# Altium PCB OLD_DIOT_temperature_logger.PcbDoc (part 3 of 6)
Units mm, origin at the board's own origin, x right, y up, seen from the top; angles counter-clockwise.
Board outline 222.54 x 100 mm, 4 copper layers (TOP, MID1, MID2, BOT), stack 1.55 mm thick; 631 components, 598 nets, 2471 pads, 1426 vias.
Unrouted connection lines stored in the file: 306.
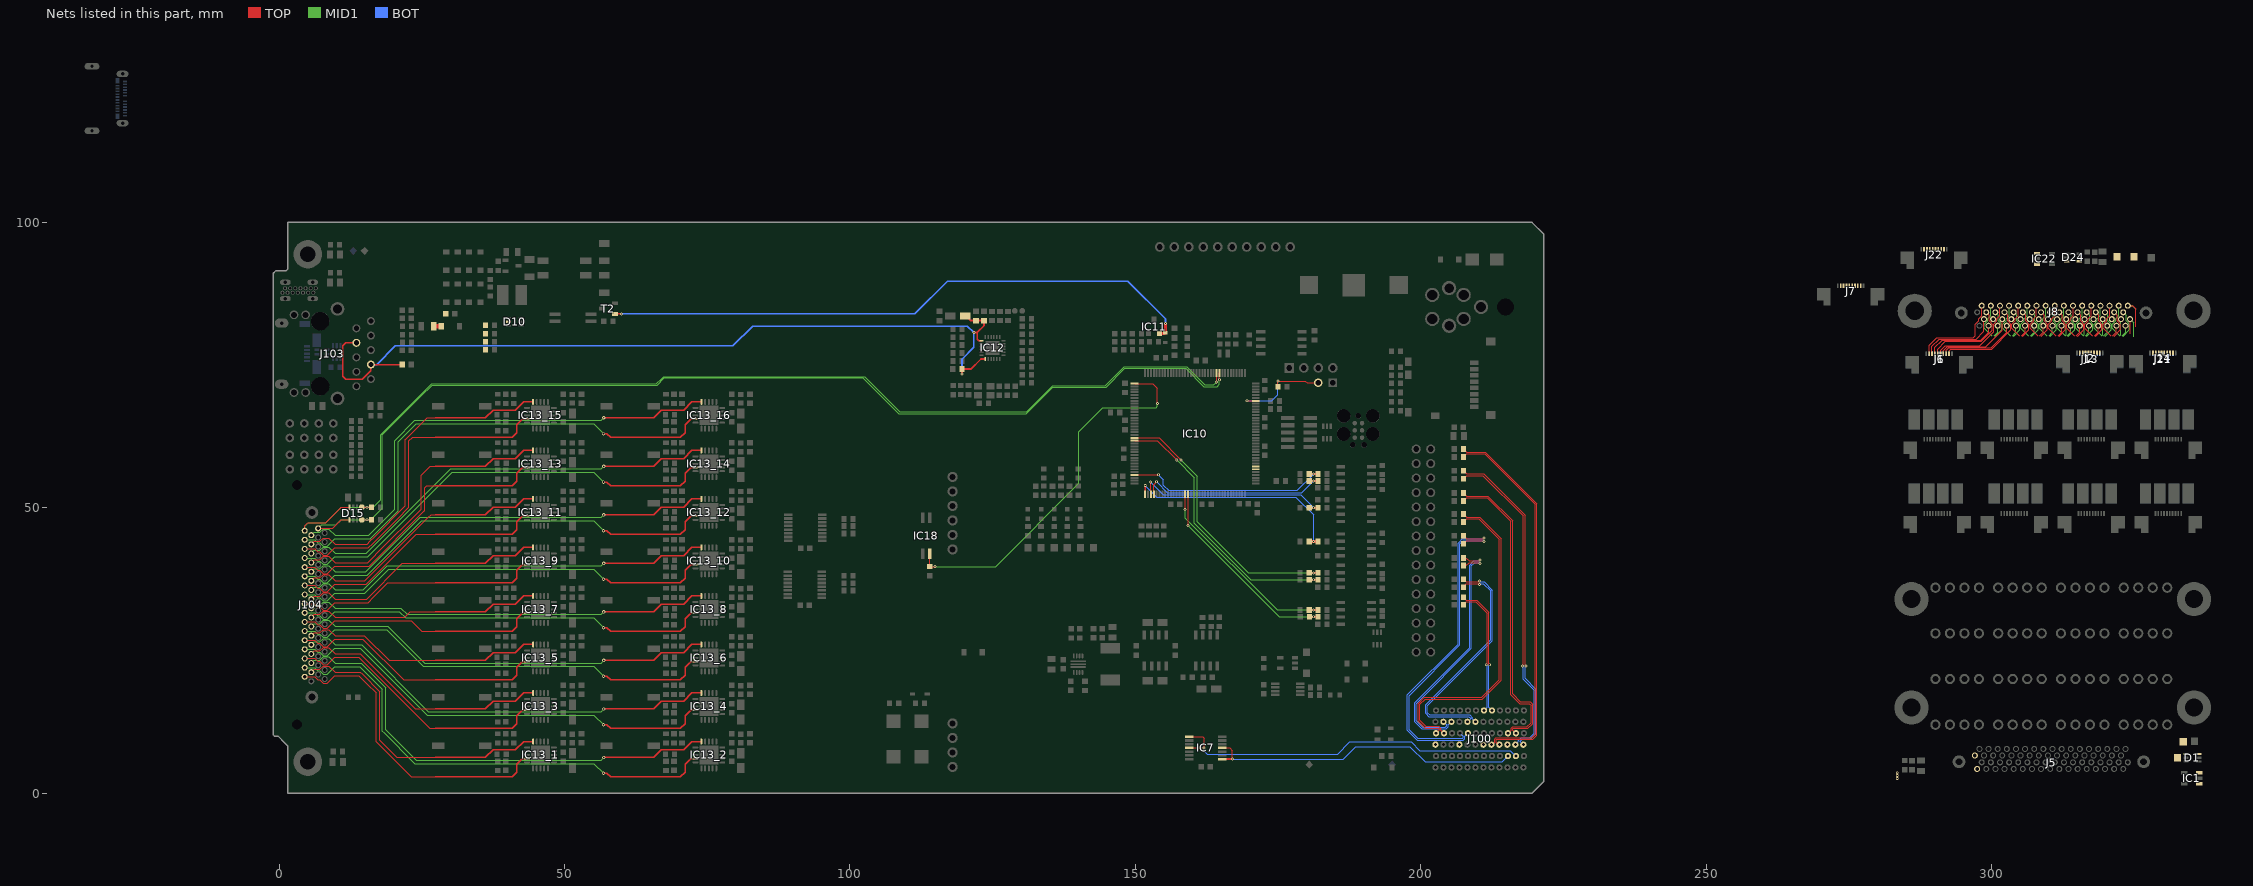
[diagram p5: the nets of this part, all layers, seen from the top]

## Part data (continued)
R92 R130 R133: library part R0603_12K1_0.1%_0.063W_10PPM, "Resistor - 0.1%", Case=0603, Manufacturer=GENERIC, Manufacturer1 ComponentHeight=0.5mm, Manufacturer1 Example="TYCO HOLSWORTHY", Manufacturer1 Part Number=RN73C1J12K1BTDF, Power=0.063W, Tolerance=±0.1%, Author="CERN DEM JLC", Component Type=Standard, CreateDate=03.12.2007, HelpURL=\\cern.ch\dfs\Applications\Altium\Datasheets\R0603_Tyco_RN73.pdf, LatestRevisionDate=13.03.2008, Manufacturer Part Number=R0603_12K1_0.1%_0.063W_10PPM, Mounted=Yes, Part Description="Thin Film Chip Resistor", Part Number=R0603_12K1_0.1%_0.063W_10PPM, Pin Count=2, PressFit=No, Sense=No, SMD=Yes, Socket=No, Status="Not Recommended", TC=±10ppm
R95: library part R0603_1K5_1%_0.1W_100PPM, "Resistor - 1%", Case=0603, Manufacturer=GENERIC, Manufacturer1 ComponentHeight=0.55mm, Manufacturer1 Example="NIC COMPONENT", Manufacturer1 Part Number=NRC06F1501TRF, Power=0.1W, Tolerance=±1%, Author="CERN DEM JLC", Component Type=Standard, CreateDate=03.12.2007, HelpURL=\\cern.ch\dfs\Applications\Altium\Datasheets\R0603_NIC_NRC.pdf, LatestRevisionDate=13.03.2008, Manufacturer Part Number=R0603_1K5_1%_0.1W_100PPM, Mounted=Yes, Part Description="General Purpose Thick Film Chip Resistor", Part Number=R0603_1K5_1%_0.1W_100PPM, Pin Count=2, PressFit=No, Sense=No, SMD=Yes, Socket=No, Status=Preferred, TC=±100ppm/°C
R100 R101 R102 R103: library part R0603_49K9_1%_0.1W_100PPM, "Resistor - 1%", Case=0603, Manufacturer=GENERIC, Manufacturer1 ComponentHeight=0.55mm, Manufacturer1 Example=VISHAY, Manufacturer1 Part Number=CRCW060349K9FKEA, Power=0.1W, Tolerance=±1%, Author="CERN DEM JLC", Component Type=Standard, CreateDate=16.11.2017, HelpURL="\\cern.ch\dfs\Applications\Altium\Datasheets\R0603_VISHAY_CRCW e3.pdf", LatestRevisionDate=16.11.2017, Manufacturer Part Number=R0603_49K9_1%_0.1W_100PPM, Mounted=Yes, Part Description="General Purpose Thick Film Chip Resistor", Part Number=R0603_49K9_1%_0.1W_100PPM, Pin Count=2, PressFit=No, Sense=No, SMD=Yes, Socket=No, Status=Preferred, TC=±100ppm/°C
R104_1 R104_2 R104_3 R104_4 R104_5 R104_6 R104_7 R104_8 R104_9 R104_10 R104_11 R104_12 R104_13 R104_14 R104_15 R104_16: library part R0603_442R_0.1%_0.063W_10PPM, "Resistor - 0.1%", Case=0603, Manufacturer=GENERIC, Manufacturer1 ComponentHeight=0.5mm, Manufacturer1 Example="TYCO HOLSWORTHY", Manufacturer1 Part Number=RN73C1J442RBTDF, Power=0.063W, Tolerance=±0.1%, Author="CERN DEM JLC", Component Type=Standard, CreateDate=03.12.2007, HelpURL=\\cern.ch\dfs\Applications\Altium\Datasheets\R0603_Tyco_RN73.pdf, LatestRevisionDate=13.03.2008, Manufacturer Part Number=R0603_442R_0.1%_0.063W_10PPM, Mounted=Yes, Part Description="Thin Film Chip Resistor", Part Number=R0603_442R_0.1%_0.063W_10PPM, Pin Count=2, PressFit=No, Sense=No, SMD=Yes, Socket=No, Status="Not Recommended", TC=±10ppm
R105_1 R105_2 R105_3 R105_4 R105_5 R105_6 R105_7 R105_8 R105_9 R105_10 R105_11 R105_12 R105_13 R105_14 R105_15 R105_16: library part R0603_22K_0.1%_0.1W_25PPM, "Resistor - 0.1%", Case=0603, Manufacturer=GENERIC, Manufacturer1 ComponentHeight=0.55mm, Manufacturer1 Example=PANASONIC, Manufacturer1 Part Number=ERA-3AEB223V, Power=0.1W, Tolerance=±0.1%, Author="CERN DEM HF", Component Type=Standard, CreateDate=18.10.2023, HelpURL=\\cern.ch\dfs\Applications\Altium\Datasheets\R0603_PANASONIC_ERA.pdf, LatestRevisionDate=18.10.2023, Manufacturer Part Number=R0603_22K_0.1%_0.1W_25PPM, Mounted=Yes, Part Description="Thin Film Chip Resistor", Part Number=R0603_22K_0.1%_0.1W_25PPM, Pin Count=2, PressFit=No, Sense=No, SMD=Yes, Socket=No, Status="Not Recommended", TC=±25ppm/°C
R106_1 R106_2 R106_3 R106_4 R106_5 R106_6 R106_7 R106_8 R106_9 R106_10 R106_11 R106_12 R106_13 R106_14 R106_15 R106_16: library part R0603_3K92_0.1%_0.063W_10PPM, "Resistor - 0.1%", Case=0603, Manufacturer=GENERIC, Manufacturer1 ComponentHeight=0.5mm, Manufacturer1 Example="TYCO HOLSWORTHY", Manufacturer1 Part Number=RN73C1J3K92BTDF, Power=0.063W, Tolerance=±0.1%, Author="CERN DEM JLC", Component Type=Standard, CreateDate=03.12.2007, HelpURL=\\cern.ch\dfs\Applications\Altium\Datasheets\R0603_Tyco_RN73.pdf, LatestRevisionDate=13.03.2008, Manufacturer Part Number=R0603_3K92_0.1%_0.063W_10PPM, Mounted=Yes, Part Description="Thin Film Chip Resistor", Part Number=R0603_3K92_0.1%_0.063W_10PPM, Pin Count=2, PressFit=No, Sense=No, SMD=Yes, Socket=No, Status="Not Recommended", TC=±10ppm
R108_1 R108_2 R108_3 R108_4 R108_5 R108_6 R108_7 R108_8 R108_9 R108_10 R108_11 R108_12 R108_13 R108_14 R108_15 R108_16: library part R0603_10M_1%_0.1W_100PPM, "Resistor - 1%", Case=0603, Manufacturer=GENERIC, Manufacturer1 ComponentHeight=0.55mm, Manufacturer1 Example=VISHAY, Manufacturer1 Part Number=CRCW060310M0FKEA, Power=0.1W, Tolerance=±1%, Author="CERN DEM JLC", Component Type=Standard, CreateDate=12.01.2017, HelpURL="\\cern.ch\dfs\Applications\Altium\Datasheets\R0603_VISHAY_CRCW e3.pdf", LatestRevisionDate=12.01.2017, Manufacturer Part Number=R0603_10M_1%_0.1W_100PPM, Mounted=Yes, Part Description="General Purpose Thick Film Chip Resistor", Part Number=R0603_10M_1%_0.1W_100PPM, Pin Count=2, PressFit=No, Sense=No, SMD=Yes, Socket=No, Status=Preferred, TC=±100ppm/°C
R118: library part R0603_24K_1%_0.1W_100PPM, "Resistor - 1%", Case=0603, Manufacturer=GENERIC, Manufacturer1 ComponentHeight=0.55mm, Manufacturer1 Example="NIC COMPONENT", Manufacturer1 Part Number=NRC06F2402TRF, Power=0.1W, Tolerance=±1%, Author="CERN DEM JLC", Component Type=Standard, CreateDate=03.12.2007, HelpURL=\\cern.ch\dfs\Applications\Altium\Datasheets\R0603_NIC_NRC.pdf, LatestRevisionDate=13.03.2008, Manufacturer Part Number=R0603_24K_1%_0.1W_100PPM, Mounted=Yes, Part Description="General Purpose Thick Film Chip Resistor", Part Number=R0603_24K_1%_0.1W_100PPM, Pin Count=2, PressFit=No, Sense=No, SMD=Yes, Socket=No, Status=Preferred, TC=±100ppm/°C
R120 R126 R132: library part R0603_82K_1%_0.1W_100PPM, "Resistor - 1%", Case=0603, Manufacturer=GENERIC, Manufacturer1 ComponentHeight=0.55mm, Manufacturer1 Example="NIC COMPONENT", Manufacturer1 Part Number=NRC06F8202TRF, Power=0.1W, Tolerance=±1%, Author="CERN DEM JLC", Component Type=Standard, CreateDate=03.12.2007, HelpURL=\\cern.ch\dfs\Applications\Altium\Datasheets\R0603_NIC_NRC.pdf, LatestRevisionDate=13.03.2008, Manufacturer Part Number=R0603_82K_1%_0.1W_100PPM, Mounted=Yes, Part Description="General Purpose Thick Film Chip Resistor", Part Number=R0603_82K_1%_0.1W_100PPM, Pin Count=2, PressFit=No, Sense=No, SMD=Yes, Socket=No, Status=Preferred, TC=±100ppm/°C
R121: library part R0603_220R_1%_0.1W_100PPM, "Resistor - 1%", Case=0603, Manufacturer=GENERIC, Manufacturer1 ComponentHeight=0.55mm, Manufacturer1 Example="NIC COMPONENT", Manufacturer1 Part Number=NRC06F2200TRF, Power=0.1W, Tolerance=±1%, Author="CERN DEM JLC", Component Type=Standard, CreateDate=03.12.2007, HelpURL=\\cern.ch\dfs\Applications\Altium\Datasheets\R0603_NIC_NRC.pdf, LatestRevisionDate=13.03.2008, Manufacturer Part Number=R0603_220R_1%_0.1W_100PPM, Mounted=Yes, Part Description="General Purpose Thick Film Chip Resistor", Part Number=R0603_220R_1%_0.1W_100PPM, Pin Count=2, PressFit=No, Sense=No, SMD=Yes, Socket=No, Status=Preferred, TC=±100ppm/°C
R125: library part R0603_20K_1%_0.1W_100PPM, "Resistor - 1%", Case=0603, Manufacturer=GENERIC, Manufacturer1 ComponentHeight=0.55mm, Manufacturer1 Example="NIC COMPONENT", Manufacturer1 Part Number=NRC06F2002TRF, Power=0.1W, Tolerance=±1%, Author="CERN DEM JLC", Component Type=Standard, CreateDate=03.12.2007, HelpURL=\\cern.ch\dfs\Applications\Altium\Datasheets\R0603_NIC_NRC.pdf, LatestRevisionDate=13.03.2008, Manufacturer Part Number=R0603_20K_1%_0.1W_100PPM, Mounted=Yes, Part Description="General Purpose Thick Film Chip Resistor", Part Number=R0603_20K_1%_0.1W_100PPM, Pin Count=2, PressFit=No, Sense=No, SMD=Yes, Socket=No, Status=Preferred, TC=±100ppm/°C
R127: library part R0805_10R_1%_0.125W_200PPM, "Resistor - 1%", Case=0805, Manufacturer=GENERIC, Manufacturer1 ComponentHeight=0.6mm, Manufacturer1 Example="NIC COMPONENT", Manufacturer1 Part Number=NRC10F10R0TRF, Power=0.125W, Tolerance=±1%, Author="CERN DEM JLC", Component Type=Standard, CreateDate=03.12.2007, HelpURL=\\cern.ch\dfs\Applications\Altium\Datasheets\R0805_NIC_NRC.pdf, LatestRevisionDate=24.06.2009, Manufacturer Part Number=R0805_10R_1%_0.125W_200PPM, Mounted=Yes, Part Description="General Purpose Thick Film Chip Resistor", Part Number=R0805_10R_1%_0.125W_200PPM, Pin Count=2, PressFit=No, Sense=No, SMD=Yes, Socket=No, Status=Preferred, TC=±200ppm/°C
R128 R129: library part R0603_47K_1%_0.1W_100PPM, "Resistor - 1%", Case=0603, Manufacturer=GENERIC, Manufacturer1 ComponentHeight=0.55mm, Manufacturer1 Example="NIC COMPONENT", Manufacturer1 Part Number=NRC06F4702TRF, Power=0.1W, Tolerance=±1%, Author="CERN DEM JLC", Component Type=Standard, CreateDate=03.12.2007, HelpURL=\\cern.ch\dfs\Applications\Altium\Datasheets\R0603_NIC_NRC.pdf, LatestRevisionDate=13.03.2008, Manufacturer Part Number=R0603_47K_1%_0.1W_100PPM, Mounted=Yes, Part Description="General Purpose Thick Film Chip Resistor", Part Number=R0603_47K_1%_0.1W_100PPM, Pin Count=2, PressFit=No, Sense=No, SMD=Yes, Socket=No, Status=Preferred, TC=±100ppm/°C
R134 R135 R136 R137: library part R0603_1K3_1%_0.1W_100PPM, "Resistor - 1%", Case=0603, Manufacturer=GENERIC, Manufacturer1 ComponentHeight=0.55mm, Manufacturer1 Example="NIC COMPONENT", Manufacturer1 Part Number=NRC06F1301TRF, Power=0.1W, Tolerance=±1%, Author="CERN DEM JLC", Component Type=Standard, CreateDate=03.12.2007, HelpURL=\\cern.ch\dfs\Applications\Altium\Datasheets\R0603_NIC_NRC.pdf, LatestRevisionDate=13.03.2008, Manufacturer Part Number=R0603_1K3_1%_0.1W_100PPM, Mounted=Yes, Part Description="General Purpose Thick Film Chip Resistor", Part Number=R0603_1K3_1%_0.1W_100PPM, Pin Count=2, PressFit=No, Sense=No, SMD=Yes, Socket=No, Status=Preferred, TC=±100ppm/°C
ST1: library part SCHROFF_PANEL_3U_4HP_Thermostat, "Schroff 3HP 4U EUROCARD Panel", Manufacturer=Schroff, Manufacturer Part Number=20818-017, Manufacturer Part Number 2=20848-664
SW1_1 SW1_2 SW1_3 SW1_4 SW1_5 SW1_6 SW1_7 SW1_8 SW1_9 SW1_10 SW1_11 SW1_12 SW1_13 SW1_14 SW1_15 SW1_16: library part SW_OMRON_A6SN-1101, "1 Ways SPST DIP Switch", Manufacturer=OMRON, Manufacturer Part Number=A6SN-1101, Author="CERN DEM JLC", Component Type=Standard, ComponentHeight=4.6mm, CreateDate=25.02.2013, Family=Switch, HelpURL=\\cern.ch\dfs\Applications\Altium\Datasheets\SW_OMRON_A6SN-1101.pdf, LatestRevisionDate=25.02.2013, Mounted=Yes, PackageDescription="Body 4.48x7.5mm, 1 Way SPST Surface-Mounting Slide Switch With Flat Actuator (A6SN Series)", Part Description="1 Way SPST Surface-Mounting Slide Switch with Flat Actuator, Contact Rating 25mA 24VDC", Part Number=SW_OMRON_A6SN-1101, Pin Count=2, PressFit=No, Sense=No, SMD=Yes, Socket=No, Status=None
T1: "N-CHANNEL MOSFET WITH DIODE", Case=SOT23-3, Manufacturer="ON SEMICONDUCTOR", Author="CERN DEM BC", Bonding=No, Component Type=Standard, ComponentHeight=1.12mm, ComponentLink1Description="Package Drawing", ComponentLink1URL=\\cern.ch\dfs\Applications\Altium\Datasheets\FDN86246_Package.pdf, CreateDate=10.10.2019, Device=FDN86246, HelpURL=\\cern.ch\dfs\Applications\Altium\Datasheets\FDN86246.pdf, LatestRevisionDate=10.10.2019, Manufacturer Part Number=FDN86246, Mounted=Yes, PackageDescription="SOT23, 0.95mm Pitch; 3 Pin, 1.30mm W X 2.92mm L X 1.12mm H body, IPC Medium Density", Part Description="150V, 1.6A, N-Channel Power Trench® MOSFET", Part Number=FDN86246, Pin Count=3, PressFit=No, Sense=No, SMD=Yes, Socket=No
T2: "N-CHANNEL MOSFET WITH DIODE", Case=SOT23-3, Manufacturer="ON SEMICONDUCTOR", Manufacturer Part Number=BSS138L, Author="CERN DEM JLC", Bonding=No, Component Type=Standard, ComponentHeight=1.11mm, CreateDate=23.03.2009, Device=BSS138LT1G, HelpURL=\\cern.ch\dfs\Applications\Altium\Datasheets\BSS138LT1G.pdf, LatestRevisionDate=25.05.2022, Mounted=Yes, PackageDescription="SOT23, 0.95mm Pitch; 3 Pin, 1.40mm W X 3.00mm L X 1.10mm H body, IPC Medium Density", Part Description="50V, 200mA N-Channel Enhancement Mode Field-Effect Transistor", Part Number=BSS138LT1G, Pin Count=3, PressFit=No, Sense=No, SMD=Yes, Socket=No
TP1 TP2 TP3 TP4 TP5 TP6 TP7 TP8 TP9 TP10 TP11 TP12 TP13 TP14: library part SMD_PAD_1.27X1.27MM, Author="CERN DEM JLC", Component Type="Standard (No BOM)", ComponentHeight=0mm, CreateDate=12.01.2008, Family="Test Point", HelpURL=Undefined, LatestRevisionDate=12.01.2008, Mounted=No, PackageDescription="1.27mm x 1.27mm PCB Copper Area (SMD Test Point)", Part Description="1.27mm x 1.27mm PCB Copper Area (SMD Test Point)", Part Number=SMD_PAD_1.27X1.27MM, Pin Count=1, Sense=No, SMD=Yes, Socket=No, Status=None
W1: library part SAMTEC_MTLW-110-07-L-S-250, "10 Mini Wire-Wrap Contact Strip Header", Manufacturer=SAMTEC, Manufacturer Part Number=MTLW-110-07-L-S-250, Author="CERN DEM JLC", ComponentHeight=7.87mm, Component Type=Standard, CreateDate=01.11.2017, Family="Header 10", HelpURL=\\cern.ch\dfs\Applications\Altium\Datasheets\SAMTEC_MTLW-110-07-L-S-250.pdf, LatestRevisionDate=01.11.2017, Mounted=Yes, Part Description="10 Contacts, Pitch 2.54mm, Single Row Through Mount Straight Header (Post Lead = 6.35mm, Tail Lead 3.05mm, Insulator 1.52mm)", Part Number=SAMTEC_MTLW-110-07-L-S-250, Pin Count=10, PressFit=No, Sense=No, SMD=No, Socket=No, Status=None
W2: library part SAMTEC_HTSW-104-23-L-S, "4 Mini Wire-Wrap Contact Strip Header", Manufacturer=SAMTEC, Manufacturer Part Number=HTSW-104-23-L-S, Author="CERN DEM JLC", Component Type=Standard, ComponentHeight=8.38mm, CreateDate=22.02.2018, Family="Header 4", HelpURL=\\cern.ch\dfs\Applications\Altium\Datasheets\SAMTEC_HTSW-104-23-L-S.pdf, LatestRevisionDate=22.02.2018, Mounted=Yes, Part Description="4 Contacts, Pitch 2.54mm, Single Row  Through Mount Straight Header (Post Lead 5.84mm, Tail Lead 2.92mm, Insulator 2.54mm)", Part Number=SAMTEC_HTSW-104-23-L-S, Pin Count=4, PressFit=No, Sense=No, SMD=No, Socket=No, Status=Preferred, Status Comment="High Temperature"
XTAL1: library part "XTAL 16MHz", ComponentLink1Description=Datasheet, Parameter1=Freq, Value1=16MHz
J102: Assembly=SMD, ComponentLink1Description=Datasheet, ComponentLink1URL=https://www.segger.com/products/debug-probes/j-link/accessories/adapters/6-pin-needle-adapter/, ComponentLink2Description="Home page", ComponentLink2URL=http://www.tag-connect.com/node/14, ComponentType="Connector JTAG"

## Free pads (board coordinates)
  round 6 hole 3.2: MH(286,15) MH(286,34) MH(286.575,84.5) MH(335.4,84.5) MH(335.5,15) MH(335.5,34)

## Via types
v1: diameter 0.5, hole 0.2, TOP to BOT, tented both sides, 687 vias
v2: diameter 0.6, hole 0.3, TOP to BOT, 286 vias
v3: diameter 0.5, hole 0.2, TOP to BOT, 256 vias
v4: diameter 0.6, hole 0.3, TOP to BOT, tented both sides, 192 vias
v5: diameter 0.66, hole 0.33, TOP to BOT, tented both sides, 5 vias

## Nets (pads, with @x,y where several pads share a name; then routed paths per layer and width w, separated by ;. In a path a pad name is that pad's centre, name@x,y a point inside that pad or via, vN(x,y) a via of type N, cw(c..) or ccw(c..) an arc to the next point about the centre after c; other vN are vias at no path point)
5V0_USB: D21.2 F1.2 | length 1.3
  TOP w0.8: F1.2@27.1,81.8 D21.2@28.4,81.8
AFE_SCL: B2.1 D15.3 IC10.11 J104.68 R70.2 | length 198.8
  TOP w0.127: B2.1@14.5,50.1 v3(15.4,50.1) R70.2@16.2,50.1 ; v3(164.25,72.025) IC10.11@164.25,73.625
  TOP w0.2: J104.68@4.5,45.995 4.5,46.85 5.05,47.4 8.2,47.4 10.9,50.1 D15.3@12.35,50.1
  MID1 w0.127: J104.68@4.5,45.995 4.5,46.806 5.094,47.4 8.2,47.4 10.88,50.08 15.38,50.08 v3(15.4,50.1) 16.525,50.1 17.825,51.4 17.825,62.825 26.729,71.729 66.129,71.729 67.025,72.625 67.052,72.625 67.405,72.979 102.596,72.979 108.725,66.85 130.977,66.85 135.512,71.385 144.735,71.385 148.075,74.725 159.025,74.725 162.2,71.55 163.775,71.55 v3(164.25,72.025)
AFE_SCL1: D24.4 IC22.1 J5.68 TP13.1
AFE_SCL2: D1.4 IC1.1 J8.68 TP2.1 | length 9.5
  TOP w0.2: J8.68@323.9,85.4 324.755,85.4 325.305,84.85 325.305,81.7
  MID1 w0.127: J8.68@323.9,85.4 324.711,85.4 325.305,84.806 325.305,81.7
AFE_SDA: B1.1 D15.4 IC10.10 J104.34 R69.2 | length 193.5
  TOP w0.127: B1.1@14.5,47.9 R69.2@16.2,47.9 ; v3(164.75,72.425) IC10.10@164.75,73.625
  TOP w0.2: J104.34@6.85,46.395 9.37,46.395 10.875,47.9 D15.4@12.35,47.9
  MID1 w0.127: J104.34@6.85,46.395 7.455,47 9.975,47 10.875,47.9 v3(15.4,47.9) 16.025,47.9 18.075,49.95 18.075,62.752 24.923,69.6 26.823,71.5 66.25,71.5 67.5,72.75 102.25,72.75 108.55,66.45 130.9,66.45 135.575,71.125 144.9,71.125 148.2,74.425 158.826,74.425 162.005,71.246 164.349,71.246 164.75,71.647 v3(164.75,72.425)
AFE_SDA1: IC22.3 J5.34 TP12.1
AFE_SDA2: D1.3 D24.3 IC1.3 J8.34 TP1.1 | length 5.9
  TOP w0.2: 324.3,80.53 J8.34@324.3,83.05
  MID1 w0.127: J8.34@324.3,83.05 324.905,82.445 324.905,79.925
  other v1: 283.495,2.567 283.495,3.067 283.495,3.567
AT_EVENT: IC10.37 IC18.4 R124.1 | length 66.6
  TOP w0.2: IC18.4@114,41.915 R124.1@114,39.7 v3(114.925,39.7) ; IC10.37@149.875,71.75 153.1,71.75 153.9,70.95 v3(153.9,68.275)
  MID1 w0.2: v3(114.925,39.7) 125.543,39.7 140.1,54.257 140.1,63.3 144.325,67.525 153.675,67.525 153.9,67.75 v3(153.9,68.275)
AVDDT_PHY: C41.2 C43.1 C44.2 C45.2 C51.2 D10.5 IC12.1 IC12.19 J103.4 J103.7 L2.2 R100.2 R101.2 R102.2 R103.2 | length 152.1
  TOP w0.254: J103.7@13.55,78.905 11.655,78.905 11.131,78.381 11.131,73.044 11.65,72.525 14.6,72.525 16.09,74.015 J103.4@16.09,75.095 16.095,75.1 C41.2@21.6,75.1
  TOP w0.3: v1(119.65,73.45) C45.2@119.65,74.3 121.2,74.3 122.978,76.078 123.737,76.078 123.75,76.091 IC12.1@123.75,76.1 ; C43.1@120.2,83.6 120.475,83.6 120.95,83.125 120.95,82.976 121.126,82.8 L2.2@122.1,82.8 C44.2@123.5,82.8 123.5,81.9 122.325,80.725 ; v1(121.725,80.725) 122.325,80.725 ; IC12.19@123.1,79.25 122.575,79.25 122.325,79.5 122.325,80.725
  BOT w0.254: J103.4@16.09,75.095 17.12,75.095 20.375,78.35 79.5,78.35 82.997,81.847 120.603,81.847 v1(121.725,80.725)
  BOT w0.3: v1(119.65,73.45) 119.65,76.025 121.725,78.1 v1(121.725,80.725)
BGA0: J100.C3
BGA1: J100.F3
BGA2: J100.I3
BGA3: J100.L3
BOOT0: IC10.138 JP1.2 R47.2 | length 18
  TOP w0.2: v3(169.575,68.75) IC10.138@171.125,68.75 ; R47.2@175,71.2 v3(175,72.2) 179.825,72.2 180.125,71.9 JP1.2@182.06,71.9
  BOT w0.127: v3(169.575,68.75) 173.95,68.75 175,69.8 v3(175,72.2)
BP_I2C.SCL: IC7.8 IC7.11 J100.B2 | length 64.4
  TOP w0.2: IC7.11@159.45,7.925 v3(162.075,7.925) 162.075,9.625 161.825,9.875 IC7.8@159.45,9.875
  BOT w0.2: v3(162.075,7.925) 162.075,7.325 162.577,6.823 163.437,6.823 163.439,6.825 185.45,6.825 187.6,8.975 198.35,8.975 199.85,7.475 215.725,7.475 J100.B2@216.7,6.5
BP_I2C.SDA: IC7.1 IC7.4 J100.C2 | length 55.9
  TOP w0.2: IC7.4@165.25,7.925 166.55,7.925 167.025,7.45 v3(167.025,5.975)
  TOP w0.4: IC7.1@165.25,5.975 v3(167.025,5.975)
  BOT w0.2: v3(167.025,5.975) 186.475,5.975 188.675,8.175 198.1,8.175 200.775,5.5 214.3,5.5 J100.C2@215.3,6.5
BP_IO.LVDS0_N: J100.E3 R4.1 | length 65.6
  TOP w0.127: R4.1@207.5,58.9 208.06,59.46 211.259,59.46 220.1,50.619 220.1,10.301 219.499,9.7 213.198,9.7 212.96,9.462 212.96,8.8 212.66,8.5 J100.E3@212.4,8.5
BP_IO.LVDS0_P: J100.D3 R3.1 | length 66.1
  TOP w0.127: R3.1@207.5,60.3 208.06,59.74 211.339,59.74 212.303,58.775 220.379,50.699 220.379,10.185 219.697,9.502 219.615,9.421 213.314,9.421 213.24,9.346 213.24,8.8 213.54,8.5 J100.D3@213.8,8.5
BP_IO.LVDS1_N: J100.B3 R8.1 | length 56.9
  TOP w0.152: R8.1@207.5,55.1 208.048,55.648 210.927,55.648 218,48.575 218,22.449 v3(217.851,22.3)
  BOT w0.152: J100.B3@216.6,8.5 217.148,9.048 217.148,9.226 217.647,9.725 219.125,9.725 219.896,10.496 219.896,18.074 218,19.97 218,22.151 v3(217.851,22.3)
BP_IO.LVDS1_P: J100.A3 R6.1 | length 57.4
  TOP w0.152: R6.1@207.5,56.5 208.048,55.952 211.053,55.952 218.304,48.701 218.304,22.449 v3(218.453,22.3)
  BOT w0.152: J100.A3@218,8.5 217.452,9.048 217.452,9.1 217.773,9.421 219.251,9.421 220.2,10.37 220.2,18.2 218.304,20.096 218.304,22.151 v3(218.453,22.3)
BP_IO.LVDS2_N: J100.C4 R12.1 | length 52.9
  TOP w0.127: R12.1@207.5,51.2 208.048,51.748 211.677,51.748 215.8,47.625 215.8,46.698 215.8,17.27 217.37,15.7 219.054,15.7 219.35,15.404 219.35,12.381 218.632,11.663 216.163,11.663 215.848,11.348 215.848,11.048 J100.C4@215.3,10.5
BP_IO.LVDS2_P: J100.B4 R10.1 | length 53.4
  TOP w0.127: R10.1@207.5,52.6 208.048,52.052 211.803,52.052 216.104,47.751 216.104,46.824 216.104,17.396 217.496,16.004 219.18,16.004 219.604,15.58 219.604,12.204 218.809,11.409 216.268,11.409 216.15,11.291 216.15,11.05 J100.B4@216.7,10.5
BP_IO.LVDS3_N: J100.L4 R14.1 | length 56.8
  TOP w0.152: J100.L4@202.7,10.5 203.248,11.048 203.248,11.2 203.048,11.4 200.795,11.4 199.66,12.535 199.571,12.624 199.571,15.697 200.674,16.8 210.7,16.8 213.796,19.896 213.796,44.474 210.222,48.048 208.048,48.048 R14.1@207.5,47.5
BP_IO.LVDS3_P: J100.K4 R13.1 | length 57.3
  TOP w0.152: J100.K4@204.1,10.5 203.552,11.048 203.552,11.326 203.174,11.704 200.921,11.704 199.875,12.75 199.875,15.571 200.8,16.496 210.826,16.496 214.1,19.77 214.1,44.6 210.348,48.352 208.048,48.352 R13.1@207.5,48.9
BP_IO.LVDS4_N: R16.1 | length 55.9
  TOP w0.152: R16.1@207.5,43.7 208.048,44.248 210.976,44.248 v3(211.125,44.099)
  BOT w0.152: 206.9,10.5 207.448,9.952 207.448,9.7 207.348,9.6 199.505,9.6 197.979,11.126 197.979,17.104 206.879,26.004 206.879,43.679 207.448,44.248 210.976,44.248 v3(211.125,44.099)
BP_IO.LVDS4_P: J100.H4 R15.1 | length 57.4
  TOP w0.152: R15.1@207.5,45.1 208.048,44.552 210.976,44.552 v3(211.125,44.701)
  BOT w0.152: 206.853,44.084 206.575,43.805 206.575,26.13 197.675,17.23 197.675,11 199.379,9.296 207.474,9.296 207.752,9.574 207.752,9.952 J100.H4@208.3,10.5 ; 206.86,44.09 207.322,44.552 210.976,44.552 v3(211.125,44.701)
BP_IO.LVDS5_N: J100.K5 R20.1 | length 42.9
  TOP w0.152: R20.1@207.5,39.9 208.026,39.9 208.524,40.398 210.276,40.398 v3(210.425,40.249)
  BOT w0.152: J100.K5@204,12.5 204.548,11.952 204.548,11.8 204.323,11.575 200.355,11.575 199.254,12.676 199.254,15.704 208.904,25.354 208.904,39.827 209.475,40.398 210.276,40.398 v3(210.425,40.249)
BP_IO.LVDS5_P: J100.J5 R19.1 | length 44.4
  TOP w0.152: R19.1@207.5,41.2 208.026,41.2 208.524,40.702 209.001,40.702 210.276,40.702 v3(210.425,40.851)
  BOT w0.152: J100.J5@205.4,12.5 204.852,11.952 204.852,11.674 204.449,11.271 200.229,11.271 198.95,12.55 198.95,15.83 208.6,25.48 208.6,39.953 209.349,40.702 210.276,40.702 v3(210.425,40.851)
BP_IO.LVDS6_N: J100.H5 R22.1 | length 41
  TOP w0.152: R22.1@207.5,36.2 208,36.7 210.151,36.7 v3(210.3,36.551) v3@210.3,36.7
  BOT w0.152: J100.H5@208.2,12.5 208.748,13.048 208.748,13.1 208.448,13.4 201.47,13.4 200.896,13.974 200.896,15.476 212.271,26.851 212.271,35.427 210.998,36.7 210.449,36.7 v3(210.3,36.551)
BP_IO.LVDS6_P: J100.G5 R21.1 | length 41.3
  TOP w0.152: R21.1@207.5,37.5 207.996,37.004 210.151,37.004 v3(210.3,37.153)
  BOT w0.152: J100.G5@209.6,12.5 209.052,13.048 209.052,13.226 208.574,13.704 201.596,13.704 201.2,14.1 201.2,15.35 212.575,26.725 212.575,35.553 212.486,35.642 211.124,37.004 210.449,37.004 v3(210.3,37.153)
BP_IO.LVDS7_N: J100.F6 R24.1 | length 22.6
  TOP w0.152: R24.1@207.5,33 207.998,33.498 209.702,33.498 211.648,31.552 211.648,22.649 v3(211.499,22.5)
  BOT w0.152: J100.F6@211.1,14.5 211.648,15.048 211.648,22.351 v3(211.499,22.5)
BP_IO.LVDS7_P: J100.E6 R23.1 | length 23.1
  TOP w0.152: R23.1@207.5,34.3 207.998,33.802 209.828,33.802 211.952,31.678 211.952,22.649 v3(212.101,22.5)
  BOT w0.152: v3(212.101,22.5) 211.952,22.351 211.952,15.048 J100.E6@212.5,14.5
CPU_RESETn: D5.1 IC11.2 T2.1 | length 104.8
  TOP w0.3: T2.1@58.875,83.976 v3(59.975,83.976)
  TOP w0.5: IC11.2@154.253,80.557 D5.1@155.113,80.557 ; D5.1@155.3,80.65 v3(155.3,82.275)
  BOT w0.3: v3(59.975,83.976) 111.401,83.976 117.125,89.7 148.7,89.7 155.3,83.1 v3(155.3,82.275)
CSN: IC10.73 R18.1 R28.2 | length 39.3
  TOP w0.3: IC10.73@151.75,52.375 v3(151.75,53.875)
  TOP w0.5: R28.2@180.5,44.1 v3(181.25,44.1) R18.1@182,44.1
  BOT w0.2: v3(151.75,53.875) 153.772,51.853 178.147,51.853 181.25,48.75 v3(181.25,44.1)
EEM_GPIO_0: IC10.56 R31.2 R37.1 | length 47.4
  TOP w0.2: IC10.56@149.875,62.25 154.175,62.25 158,58.425 v3(158,58.4)
  TOP w0.3: R31.2@180.5,38.6 v3(181.25,38.6) R37.1@182,38.6
  MID1 w0.2: v3(158,58.4) 160.85,55.55 160.85,47.523 169.773,38.6 v3(181.25,38.6)
EEM_GPIO_1: IC10.57 R32.1 R33.2 | length 47.7
  TOP w0.2: IC10.57@149.875,61.75 153.9,61.75 v3(157.275,58.375)
  TOP w0.3: R33.2@180.5,37.4 v3(181.25,37.4) R32.1@182,37.4
  MID1 w0.2: v3(157.275,58.375) 160.375,55.275 160.375,47.25 170.225,37.4 v3(181.25,37.4)
EEM_GPIO_2: IC10.87 R34.2 R41.1 | length 34.8
  TOP w0.2: v3(158.75,49.7) IC10.87@158.75,52.375
  TOP w0.3: R34.2@180.5,32.1 v3(181.25,32.1) R41.1@182,32.1
  MID1 w0.2: v3(158.75,49.7) 158.75,48.2 174.85,32.1 v3(181.25,32.1)
EEM_GPIO_3: IC10.88 R36.2 R39.1 | length 35.6
  TOP w0.2: v3(159.25,46.875) IC10.88@159.25,52.375
  TOP w0.3: R36.2@180.5,30.9 R36.2@180.511,30.9 v3(181.25,30.9) R39.1@182,30.9
  MID1 w0.2: v3(159.25,46.875) 175.225,30.9 v3(181.25,30.9)
EEM_SCK: IC10.69 R11.1 R29.2 | length 35.7
  TOP w0.127: IC10.69@149.875,55.75 154.025,55.75 v3(154.05,55.775)
  TOP w0.3: R29.2@180.5,55.9 v3(181.25,55.9) R11.1@182,55.9
  BOT w0.2: v3(154.05,55.775) 154.943,54.882 154.943,53.968 155.861,53.05 178.4,53.05 v3(181.25,55.9)
EEM_SDI: IC10.76 R7.1 R26.2 | length 33
  TOP w0.2: IC10.76@153.25,52.375 153.25,54.05 v3(153.75,54.55)
  TOP w0.3: R26.2@180.5,54.7 v3(181.25,54.7) R7.1@182,54.7
  BOT w0.2: v3(153.75,54.55) 155.641,52.659 179.209,52.659 v3(181.25,54.7)
EEM_SDO: IC10.75 R25.1 R27.2 | length 34.2
  TOP w0.2: v3(152.65,54.525) 152.65,54.444 152.75,54.344 IC10.75@152.75,52.375
  TOP w0.3: R27.2@180.5,50 v3(181.25,50) R25.1@182,50
  BOT w0.2: v3(152.65,54.525) 154.9,52.275 178.975,52.275 v3(181.25,50)
FDCAN1_RX: IC10.115
FDCAN1_TX: IC10.114
FFORCE_N0: J1.2 J8.36 | length 16
  TOP w0.1: J1.2@289.09,77 289.09,78.44 290.425,79.775 296.825,79.775 297.181,80.131 297.181,82.139 297.778,82.736 297.778,83.086 298.3,83.608 J8.36@298.3,85.4
FFORCE_N1: J1.6 J8.38 | length 6.3
  MID1 w0.102: J8.38@299.9,85.4 299.9,83.608 299.378,83.086 299.378,82.736 298.781,82.139 298.781,81.424 300.096,80.109
FFORCE_N2: J6.5 J8.40 | length 16.3
  TOP w0.102: 291.09,77 291.09,77.59 291.925,78.425 297.975,78.425 300.381,80.831 300.381,82.139 300.978,82.736 300.978,83.086 301.5,83.608 J8.40@301.5,85.4
FFORCE_N3: J6.9 J8.42 | length 6.3
  MID1 w0.102: J8.42@303.1,85.4 303.1,83.608 302.578,83.086 302.578,82.736 301.981,82.139 301.981,81.424 303.296,80.109
FFORCE_N4: J8.44 J13.5 | length 6.3
  TOP w0.102: J8.44@304.7,85.4 304.7,83.608 304.178,83.086 304.178,82.736 303.581,82.139 303.581,81.424 304.896,80.109
FFORCE_N5: J8.46 J13.9 | length 6.3
  MID1 w0.102: J8.46@306.3,85.4 306.3,83.608 305.778,83.086 305.778,82.736 305.181,82.139 305.181,81.424 306.496,80.109
FFORCE_N6: J8.48 J21.5 | length 6.3
  TOP w0.102: J8.48@307.9,85.4 307.9,83.608 307.378,83.086 307.378,82.736 306.781,82.139 306.781,81.424 308.096,80.109
FFORCE_N7: J8.50 J21.9 | length 6.3
  MID1 w0.102: J8.50@309.5,85.4 309.5,83.608 308.978,83.086 308.978,82.736 308.381,82.139 308.381,81.424 309.696,80.109
FFORCE_N8: J2.5 J8.52 | length 6.3
  TOP w0.102: J8.52@311.1,85.4 311.1,83.608 310.578,83.086 310.578,82.736 309.981,82.139 309.981,81.424 311.296,80.109
FFORCE_N9: J2.9 J8.54 | length 6.3
  MID1 w0.102: J8.54@312.7,85.4 312.7,83.608 312.178,83.086 312.178,82.736 311.581,82.139 311.581,81.424 312.896,80.109
FFORCE_N10: J7.5 J8.56 | length 6.3
  TOP w0.102: J8.56@314.3,85.4 314.3,83.608 313.778,83.086 313.778,82.736 313.181,82.139 313.181,81.424 314.496,80.109
FFORCE_N11: J7.9 J8.58 | length 6.3
  MID1 w0.102: J8.58@315.9,85.4 315.9,83.608 315.378,83.086 315.378,82.736 314.781,82.139 314.781,81.424 316.096,80.109
FFORCE_N12: J8.60 J14.5 | length 6.3
  TOP w0.102: J8.60@317.5,85.4 317.5,83.608 316.978,83.086 316.978,82.736 316.381,82.139 316.381,81.424 317.696,80.109
FFORCE_N13: J8.62 J14.9 | length 6.3
  MID1 w0.102: J8.62@319.1,85.4 319.1,83.608 318.578,83.086 318.578,82.736 317.981,82.139 317.981,81.424 319.296,80.109
FFORCE_N14: J8.64 J22.5 | length 6.3
  TOP w0.102: J8.64@320.7,85.4 320.7,83.608 320.178,83.086 320.178,82.736 319.581,82.139 319.581,81.424 320.896,80.109
FFORCE_N15: J8.66 J22.9 | length 6.3
  MID1 w0.102: J8.66@322.3,85.4 322.3,83.608 321.778,83.086 321.778,82.736 321.181,82.139 321.181,81.424 322.48,80.125
FFORCE_P0: J1.5 J8.37 | length 15.3
  TOP w0.1: J1.5@290.6,77 290.6,77.81 291.937,79.147 298.222,79.147 300.177,81.102 300.177,82.181 299.622,82.736 299.622,83.728 J8.37@299.1,84.25
FFORCE_P1: J1.9 J8.39 | length 5.1
  MID1 w0.102: J8.39@300.7,84.25 301.222,83.728 301.222,82.736 301.777,82.181 301.777,81.147 300.707,80.077
FFORCE_P2: J6.2 J8.41 | length 16.4
  TOP w0.102: 292.59,77 292.59,77.54 292.864,77.814 300.044,77.814 303.377,81.147 303.377,82.181 302.822,82.736 302.822,83.728 J8.41@302.3,84.25
FFORCE_P3: J6.6 J8.43 | length 5.1
  MID1 w0.102: J8.43@303.9,84.25 304.422,83.728 304.422,82.736 304.977,82.181 304.977,81.147 303.907,80.077
FFORCE_P4: J8.45 J13.2 | length 5.1
  TOP w0.102: J8.45@305.5,84.25 306.022,83.728 306.022,82.736 306.577,82.181 306.577,81.147 305.507,80.077
FFORCE_P5: J8.47 J13.6 | length 5.1
  MID1 w0.102: J8.47@307.1,84.25 307.622,83.728 307.622,82.736 308.177,82.181 308.177,81.147 307.107,80.077
FFORCE_P6: J8.49 J21.2 | length 5.1
  TOP w0.102: J8.49@308.7,84.25 309.222,83.728 309.222,82.736 309.777,82.181 309.777,81.147 308.707,80.077
FFORCE_P7: J8.51 J21.6 | length 5.1
  MID1 w0.102: J8.51@310.3,84.25 310.822,83.728 310.822,82.736 311.377,82.181 311.377,81.147 310.307,80.077
FFORCE_P8: J2.2 J8.53 | length 5.1
  TOP w0.102: J8.53@311.9,84.25 312.422,83.728 312.422,82.736 312.977,82.181 312.977,81.147 311.907,80.077
FFORCE_P9: J2.6 J8.55 | length 5.1
  MID1 w0.102: J8.55@313.5,84.25 314.022,83.728 314.022,82.736 314.577,82.181 314.577,81.147 313.507,80.077
FFORCE_P10: J7.2 J8.57 | length 5.1
  TOP w0.102: J8.57@315.1,84.25 315.622,83.728 315.622,82.736 316.177,82.181 316.177,81.147 315.107,80.077
FFORCE_P11: J7.6 J8.59 | length 5.1
  MID1 w0.102: J8.59@316.7,84.25 317.222,83.728 317.222,82.736 317.777,82.181 317.777,81.147 316.707,80.077
FFORCE_P12: J8.61 J14.2 | length 5.1
  TOP w0.102: J8.61@318.3,84.25 318.822,83.728 318.822,82.736 319.377,82.181 319.377,81.147 318.307,80.077
FFORCE_P13: J8.63 J14.6 | length 5.1
  MID1 w0.102: J8.63@319.9,84.25 320.422,83.728 320.422,82.736 320.977,82.181 320.977,81.147 319.907,80.077
FFORCE_P14: J8.65 J22.2 | length 5.1
  TOP w0.102: J8.65@321.5,84.25 322.022,83.728 322.022,82.736 322.577,82.181 322.577,81.147 321.507,80.077
FFORCE_P15: J8.67 J22.6 | length 5.1
  MID1 w0.102: J8.67@323.1,84.25 323.622,83.728 323.622,82.736 324.177,82.181 324.177,81.147 323.107,80.077
FORCE_N00: IC13_1.9 J104.36 | length 54.5
  TOP w0.102: J104.36@4.5,20.395 6.292,20.395 6.814,19.873 7.164,19.873 7.761,19.276 8.476,19.276 9.791,20.591 14.009,20.591 15.4,19.2 17.025,17.575 17.025,9 23.175,2.85 27.375,2.85
  TOP w0.254: 27.375,2.85 40.825,2.85 41.65,3.675 41.65,5.075 42.625,6.05 IC13_1.9@43.45,6.05
FORCE_N01: IC13_2.9 J104.38 | length 83.9
  TOP w0.254: v2(56.85,3.5) 57.45,3.5 58.1,2.85 70.325,2.85 71.15,3.675 71.15,5.075 72.125,6.05 IC13_2.9@72.95,6.05
  MID1 w0.102: J104.38@4.5,21.995 6.292,21.995 6.814,21.473 7.164,21.473 7.761,20.876 8.476,20.876 9.791,22.191 14.12,22.191 18.114,18.197 18.114,10.836 18.318,10.632 23.757,5.193 55.157,5.193 v2(56.85,3.5)
FORCE_N02: IC13_3.9 J104.40 | length 47.3
  TOP w0.102: J104.40@4.5,23.595 6.292,23.595 6.814,23.073 7.164,23.073 7.761,22.476 8.476,22.476 9.791,23.791 13.946,23.791 26.387,11.35 27.375,11.35
  TOP w0.254: 27.375,11.35 40.825,11.35 41.65,12.175 41.65,13.575 42.625,14.55 IC13_3.9@43.45,14.55
FORCE_N03: IC13_4.9 J104.42 | length 77.4
  TOP w0.254: v2(56.85,12) 57.45,12 58.1,11.35 70.325,11.35 71.15,12.175 71.15,13.575 72.125,14.55 IC13_4.9@72.95,14.55
  MID1 w0.102: J104.42@4.5,25.195 6.292,25.195 6.814,24.673 7.164,24.673 7.761,24.076 8.476,24.076 9.791,25.391 14.234,25.391 25.932,13.693 55.157,13.693 v2(56.85,12)
FORCE_N04: IC13_5.9 J104.44 | length 45.1
  TOP w0.102: J104.44@4.5,26.795 6.292,26.795 6.814,26.273 7.164,26.273 7.761,25.676 8.476,25.676 9.791,26.991 14.684,26.991 21.825,19.85 27.375,19.85
  TOP w0.254: 27.375,19.85 40.825,19.85 41.65,20.675 41.65,22.075 42.625,23.05 IC13_5.9@43.45,23.05
FORCE_N05: IC13_6.9 J104.46 | length 75.2
  TOP w0.254: v2(56.85,20.5) 57.45,20.5 58.1,19.85 70.325,19.85 71.15,20.675 71.15,22.075 72.125,23.05 IC13_6.9@72.95,23.05
  MID1 w0.102: J104.46@4.5,28.395 6.292,28.395 6.814,27.873 7.164,27.873 7.761,27.276 8.476,27.276 9.791,28.591 18.834,28.591 25.232,22.193 55.157,22.193 v2(56.85,20.5)
FORCE_N06: IC13_7.9 J104.48 | length 42.9
  TOP w0.102: J104.48@4.5,29.995 6.292,29.995 6.814,29.473 7.164,29.473 7.761,28.876 8.476,28.876 9.791,30.191 23.159,30.191 24.555,28.795 25,28.35 27.375,28.35
  TOP w0.254: 27.375,28.35 40.825,28.35 41.65,29.175 41.65,30.575 42.625,31.55 IC13_7.9@43.45,31.55
FORCE_N07: IC13_8.9 J104.50 | length 73
  TOP w0.254: v2(56.85,29) 57.45,29 58.1,28.35 70.325,28.35 71.15,29.175 71.15,30.575 72.125,31.55 IC13_8.9@72.95,31.55
  MID1 w0.102: J104.50@4.5,31.595 6.292,31.595 6.814,31.073 7.164,31.073 7.761,30.476 8.476,30.476 9.791,31.791 21.084,31.791 22.182,30.693 55.157,30.693 v2(56.85,29)
FORCE_N08: IC13_9.9 J104.52 | length 43.5
  TOP w0.102: J104.52@4.5,33.195 6.292,33.195 6.814,32.673 7.164,32.673 7.761,32.076 8.476,32.076 9.791,33.391 15.307,33.391 ; 15.308,33.392 15.595,33.392 16.596,34.392 19.054,36.85 27.375,36.85
  TOP w0.254: 27.375,36.85 40.825,36.85 41.65,37.675 41.65,39.075 42.625,40.05 IC13_9.9@43.45,40.05
FORCE_N09: IC13_10.9 J104.54 | length 74.3
  TOP w0.254: v2(56.85,37.5) 57.45,37.5 58.1,36.85 70.325,36.85 71.15,37.675 71.15,39.075 72.125,40.05 IC13_10.9@72.95,40.05
  MID1 w0.102: J104.54@4.5,34.795 6.292,34.795 6.814,34.273 7.164,34.273 7.761,33.676 8.476,33.676 9.791,34.991 14.454,34.991 15.03,34.991 19.232,39.193 55.157,39.193 v2(56.85,37.5)
FORCE_N10: IC13_11.9 J104.56 | length 45.7
  TOP w0.102: J104.56@4.5,36.395 6.292,36.395 6.814,35.873 7.164,35.873 7.761,35.276 8.476,35.276 9.791,36.591 14.109,36.591 14.292,36.592 ; 14.292,36.592 14.792,36.592 15.292,36.592 24.05,45.35 27.375,45.35
  TOP w0.254: 27.375,45.35 40.825,45.35 41.65,46.175 41.65,47.575 42.625,48.55 IC13_11.9@43.45,48.55
FORCE_N11: IC13_12.9 J104.58 | length 76.5
  TOP w0.254: v2(56.85,46) 57.45,46 58.1,45.35 70.325,45.35 71.15,46.175 71.15,47.575 72.125,48.55 IC13_12.9@72.95,48.55
  MID1 w0.102: J104.58@4.5,37.995 6.292,37.995 6.814,37.473 7.164,37.473 7.761,36.876 8.476,36.876 9.791,38.191 14.904,38.191 15.48,38.191 24.982,47.693 55.157,47.693 v2(56.85,46)
FORCE_N12: IC13_13.9 J104.60 | length 50.2
  TOP w0.102: J104.60@4.5,39.595 6.292,39.595 6.814,39.073 7.164,39.073 7.761,38.476 8.476,38.476 9.791,39.791 15.715,39.791 15.779,39.792 25.3,49.312 25.475,49.488 25.503,49.516 25.503,53.466 25.887,53.85 27.375,53.85
  TOP w0.254: 27.375,53.85 40.825,53.85 41.65,54.675 41.65,56.075 42.625,57.05 IC13_13.9@43.45,57.05
FORCE_N13: IC13_14.9 J104.62 | length 78.7
  TOP w0.254: v2(56.85,54.5) 57.45,54.5 58.1,53.85 70.325,53.85 71.15,54.675 71.15,56.075 72.125,57.05 IC13_14.9@72.95,57.05
  MID1 w0.102: J104.62@4.5,41.195 6.292,41.195 6.814,40.673 7.164,40.673 7.761,40.076 8.476,40.076 9.791,41.391 15.242,41.391 15.53,41.391 30.332,56.193 55.157,56.193 v2(56.85,54.5)
FORCE_N14: IC13_15.9 J104.64 | length 56.9
  TOP w0.102: J104.64@4.5,42.795 6.292,42.795 6.814,42.273 7.164,42.273 7.761,41.676 8.476,41.676 9.791,42.991 15.091,42.991 ; 15.092,42.992 15.379,42.992 15.667,42.992 16.502,43.827 20.756,48.081 ; 20.756,48.082 22.75,50.075 22.75,61.713 23.387,62.35 27.375,62.35
  TOP w0.254: 27.375,62.35 40.825,62.35 41.65,63.175 41.65,64.575 42.625,65.55 IC13_15.9@43.45,65.55
FORCE_N15: IC13_16.9 J104.66 | length 88
  TOP w0.254: v2(56.85,63) 57.45,63 58.1,62.35 70.325,62.35 71.15,63.175 71.15,64.575 72.125,65.55 IC13_16.9@72.95,65.55
  MID1 w0.102: J104.66@4.5,44.395 6.292,44.395 6.814,43.873 7.164,43.873 7.761,43.276 8.476,43.276 9.775,44.575 15.55,44.575 15.554,44.579 16.01,44.579 20.9,49.469 20.9,61.525 24.068,64.693 55.157,64.693 v2(56.85,63)
FORCE_P00: IC13_1.5 J104.37 | length 52.1
  TOP w0.102: J104.37@5.65,21.195 6.172,21.717 7.164,21.717 7.719,22.272 8.753,22.272 9.823,21.202 14.26,21.202 14.574,20.888 ; 14.574,20.888 17.656,17.806 17.656,9.231 20.637,6.25 27.4,6.25
  TOP w0.254: 27.4,6.25 36.125,6.25 37.5,7.625 41.425,7.625 42.85,9.05 IC13_1.5@44.5,9.05
FORCE_P01: IC13_2.5 J104.39 | length 81.9
  TOP w0.254: v2@56.9,6.25 65.625,6.25 67,7.625 70.925,7.625 72.35,9.05 IC13_2.5@74,9.05
  MID1 w0.102: J104.39@5.65,22.795 6.172,23.317 7.164,23.317 7.719,23.872 8.753,23.872 9.823,22.802 14.373,22.802 18.725,18.45 18.725,11.089 24.01,5.804 56.429,5.804 v2(56.875,6.25)
FORCE_P02: IC13_3.5 J104.41 | length 44.9
  TOP w0.102: J104.41@5.65,24.395 6.172,24.917 7.164,24.917 7.719,25.472 8.753,25.472 9.823,24.402 14.198,24.402 23.85,14.75 27.4,14.75
  TOP w0.254: 27.4,14.75 36.125,14.75 37.5,16.125 41.425,16.125 42.85,17.55 IC13_3.5@44.5,17.55
FORCE_P03: IC13_4.5 J104.43 | length 75.4
  TOP w0.254: v2@56.9,14.75 65.625,14.75 67,16.125 70.925,16.125 72.35,17.55 IC13_4.5@74,17.55
  MID1 w0.102: J104.43@5.65,25.995 6.172,26.517 7.164,26.517 7.719,27.072 8.753,27.072 9.823,26.002 14.399,26.002 14.487,26.002 26.185,14.304 56.429,14.304 v2(56.875,14.75)
FORCE_P04: IC13_5.5 J104.45 | length 42.7
  TOP w0.102: J104.45@5.65,27.595 6.172,28.117 7.164,28.117 7.719,28.672 8.753,28.672 9.823,27.602 14.948,27.602 19.3,23.25 27.4,23.25
  TOP w0.254: 27.4,23.25 36.125,23.25 37.5,24.625 41.425,24.625 42.85,26.05 IC13_5.5@44.5,26.05
FORCE_P05: IC13_6.5 J104.47 | length 73.2
  TOP w0.254: v2@56.9,23.25 65.625,23.25 67,24.625 70.925,24.625 72.35,26.05 IC13_6.5@74,26.05
  MID1 w0.102: J104.47@5.65,29.195 6.172,29.717 7.164,29.717 7.719,30.272 8.753,30.272 9.823,29.202 16.173,29.202 19.087,29.202 25.485,22.804 56.429,22.804 v2(56.875,23.25)
FORCE_P06: IC13_7.5 J104.49 | length 41.3
  TOP w0.102: J104.49@5.65,30.795 6.172,31.317 7.164,31.317 7.719,31.872 8.753,31.872 9.823,30.802 22.002,30.802 22.95,31.75 24.25,31.75 27.4,31.75
  TOP w0.254: 27.4,31.75 36.125,31.75 37.5,33.125 41.425,33.125 42.85,34.55 IC13_7.5@44.5,34.55
FORCE_P07: IC13_8.5 J104.51 | length 71
  TOP w0.254: v2@56.9,31.75 65.625,31.75 67,33.125 70.925,33.125 72.35,34.55 IC13_8.5@74,34.55
  MID1 w0.102: J104.51@5.65,32.395 6.172,32.917 7.164,32.917 7.719,33.472 8.753,33.472 9.823,32.402 21.337,32.402 22.435,31.304 56.429,31.304 v2(56.875,31.75)
FORCE_P08: IC13_9.5 J104.53 | length 43.5
  TOP w0.102: J104.53@5.65,33.995 6.172,34.517 7.164,34.517 7.719,35.072 8.753,35.072 9.823,34.002 15.343,34.002 21.59,40.25 27.4,40.25
  TOP w0.254: 27.4,40.25 36.125,40.25 37.5,41.625 41.425,41.625 42.85,43.05 IC13_9.5@44.5,43.05
FORCE_P09: IC13_10.5 J104.55 | length 72.3
  TOP w0.254: v2@56.9,40.25 65.625,40.25 67,41.625 70.925,41.625 72.35,43.05 IC13_10.5@74,43.05
  MID1 w0.102: J104.55@5.65,35.595 6.172,36.117 7.164,36.117 7.719,36.672 8.753,36.672 9.823,35.602 14.777,35.602 18.979,39.804 56.429,39.804 v2(56.875,40.25)
FORCE_P10: IC13_11.5 J104.57 | length 45.7
  TOP w0.102: J104.57@5.65,37.195 6.172,37.717 7.164,37.717 7.719,38.272 8.753,38.272 9.823,37.202 15.015,37.202 26.116,48.303 26.178,48.303 26.625,48.75 27.4,48.75
  TOP w0.254: 27.4,48.75 36.125,48.75 37.5,50.125 41.425,50.125 42.85,51.55 IC13_11.5@44.5,51.55
FORCE_P11: IC13_12.5 J104.59 | length 74.5
  TOP w0.254: v2@56.9,48.75 65.625,48.75 67,50.125 70.925,50.125 72.35,51.55 IC13_12.5@74,51.55
  MID1 w0.102: J104.59@5.65,38.795 6.172,39.317 7.164,39.317 7.719,39.872 8.753,39.872 9.823,38.802 15.227,38.802 24.729,48.304 56.429,48.304 v2(56.875,48.75)
FORCE_P12: IC13_13.5 J104.61 | length 51.3
  TOP w0.102: J104.61@5.65,40.395 6.172,40.917 7.164,40.917 7.719,41.472 8.753,41.472 9.823,40.402 15.514,40.402 16.561,41.449 17.302,42.189 24.894,49.781 24.894,55.694 25,55.8 26.45,57.25 27.4,57.25
  TOP w0.254: 27.4,57.25 36.125,57.25 37.5,58.625 41.425,58.625 42.85,60.05 IC13_13.5@44.5,60.05
FORCE_P13: IC13_14.5 J104.63 | length 76.7
  TOP w0.254: v2@56.9,57.25 65.625,57.25 67,58.625 70.925,58.625 72.35,60.05 IC13_14.5@74,60.05
  MID1 w0.102: J104.63@5.65,41.995 6.172,42.517 7.164,42.517 7.719,43.072 8.753,43.072 9.823,42.002 15.277,42.002 30.079,56.804 56.429,56.804 v2(56.875,57.25)
FORCE_P14: IC13_15.5 J104.65 | length 56.9
  TOP w0.102: J104.65@5.65,43.595 6.172,44.117 7.164,44.117 7.719,44.672 8.753,44.672 9.823,43.602 15.414,43.602 16.011,44.199 16.646,44.834 22.14,50.328 22.14,61.965 22.2,62.025 25.925,65.75 27.4,65.75
  TOP w0.254: 27.4,65.75 36.125,65.75 37.5,67.125 41.425,67.125 42.85,68.55 IC13_15.5@44.5,68.55
FORCE_P15: IC13_16.5 J104.67 | length 85.9
  TOP w0.254: v2@56.9,65.75 65.625,65.75 67,67.125 70.925,67.125 72.35,68.55 IC13_16.5@74,68.55
  MID1 w0.102: J104.67@5.65,45.195 6.172,45.717 7.164,45.717 7.719,46.272 8.753,46.272 9.823,45.202 15.752,45.202 20.289,49.739 20.289,61.778 20.35,61.839 23.815,65.304 24.391,65.304 56.429,65.304 v2(56.875,65.75)
FRTDIN_N0: J1.3 J8.2 | length 13.6
  TOP w0.1: J1.3@289.59,77 289.59,78.29 290.85,79.55 297.35,79.55 298.7,80.9 J8.2@298.7,83.05
FRTDIN_N1: J1.7 J8.4
FRTDIN_N2: J6.4 J8.6 | length 14.3
  TOP w0.102: 291.59,77 291.59,77.54 292.271,78.221 299.044,78.221 301.9,81.077 J8.6@301.9,83.05
FRTDIN_N3: J6.8 J8.8
FRTDIN_N4: J8.10 J13.4
FRTDIN_N5: J8.12 J13.8
FRTDIN_N6: J8.14 J21.4
FRTDIN_N7: J8.16 J21.8
FRTDIN_N8: J2.4 J8.18
FRTDIN_N9: J2.8 J8.20 | length 2.8
  MID1 w0.102: 313.1,80.246 J8.20@313.1,83.05
FRTDIN_N10: J7.4 J8.22
FRTDIN_N11: J7.8 J8.24 | length 2.8
  MID1 w0.102: 316.3,80.246 J8.24@316.3,83.05
FRTDIN_N12: J8.26 J14.4
FRTDIN_N13: J8.28 J14.8 | length 2.8
  MID1 w0.102: 319.5,80.246 J8.28@319.5,83.05
FRTDIN_N14: J8.30 J22.4
FRTDIN_N15: J8.32 J22.8 | length 2.8
  MID1 w0.102: 322.7,80.246 J8.32@322.7,83.05
FRTDIN_P0: J1.4 J8.3 | length 12.8
  TOP w0.1: J1.4@290.09,77 290.09,78.09 291.348,79.348 298.138,79.348 299.5,80.71 J8.3@299.5,81.9
FRTDIN_P1: J1.8 J8.5 | length 2
  MID1 w0.102: 300.504,80.162 301.1,80.758 J8.5@301.1,81.9
FRTDIN_P2: J6.3 J8.7 | length 13.7
  TOP w0.102: 292.09,77 292.09,77.59 292.518,78.018 299.96,78.018 302.7,80.758 J8.7@302.7,81.9
FRTDIN_P3: J6.7 J8.9 | length 2
  MID1 w0.102: 303.704,80.162 304.3,80.758 J8.9@304.3,81.9
FRTDIN_P4: J8.11 J13.3 | length 2
  TOP w0.102: 305.304,80.162 305.9,80.758 J8.11@305.9,81.9
FRTDIN_P5: J8.13 J13.7 | length 2
  MID1 w0.102: 306.904,80.162 307.5,80.758 J8.13@307.5,81.9
FRTDIN_P6: J8.15 J21.3 | length 2
  TOP w0.102: 308.504,80.162 309.1,80.758 J8.15@309.1,81.9
FRTDIN_P7: J8.17 J21.7 | length 2
  MID1 w0.102: 310.104,80.162 310.7,80.758 J8.17@310.7,81.9
FRTDIN_P8: J2.3 J8.19 | length 2
  TOP w0.102: 311.704,80.162 312.3,80.758 J8.19@312.3,81.9
FRTDIN_P9: J2.7 J8.21 | length 2
  MID1 w0.102: 313.304,80.162 313.9,80.758 J8.21@313.9,81.9
FRTDIN_P10: J7.3 J8.23 | length 2
  TOP w0.102: 314.904,80.162 315.5,80.758 J8.23@315.5,81.9
FRTDIN_P11: J7.7 J8.25 | length 2
  MID1 w0.102: 316.504,80.162 317.1,80.758 J8.25@317.1,81.9
FRTDIN_P12: J8.27 J14.3 | length 2
  TOP w0.102: 318.104,80.162 318.7,80.758 J8.27@318.7,81.9
FRTDIN_P13: J8.29 J14.7 | length 2
  MID1 w0.102: 319.704,80.162 320.3,80.758 J8.29@320.3,81.9
FRTDIN_P14: J8.31 J22.3 | length 2
  TOP w0.102: 321.304,80.162 321.9,80.758 J8.31@321.9,81.9
FRTDIN_P15: J8.33 J22.7 | length 2
  MID1 w0.102: 322.904,80.162 323.5,80.758 J8.33@323.5,81.9